# KiCad board SparkFun_Qwiic_WAV_Trigger_Pro_panelized.kicad_pcb
note: Designed by: Jamie Robertson
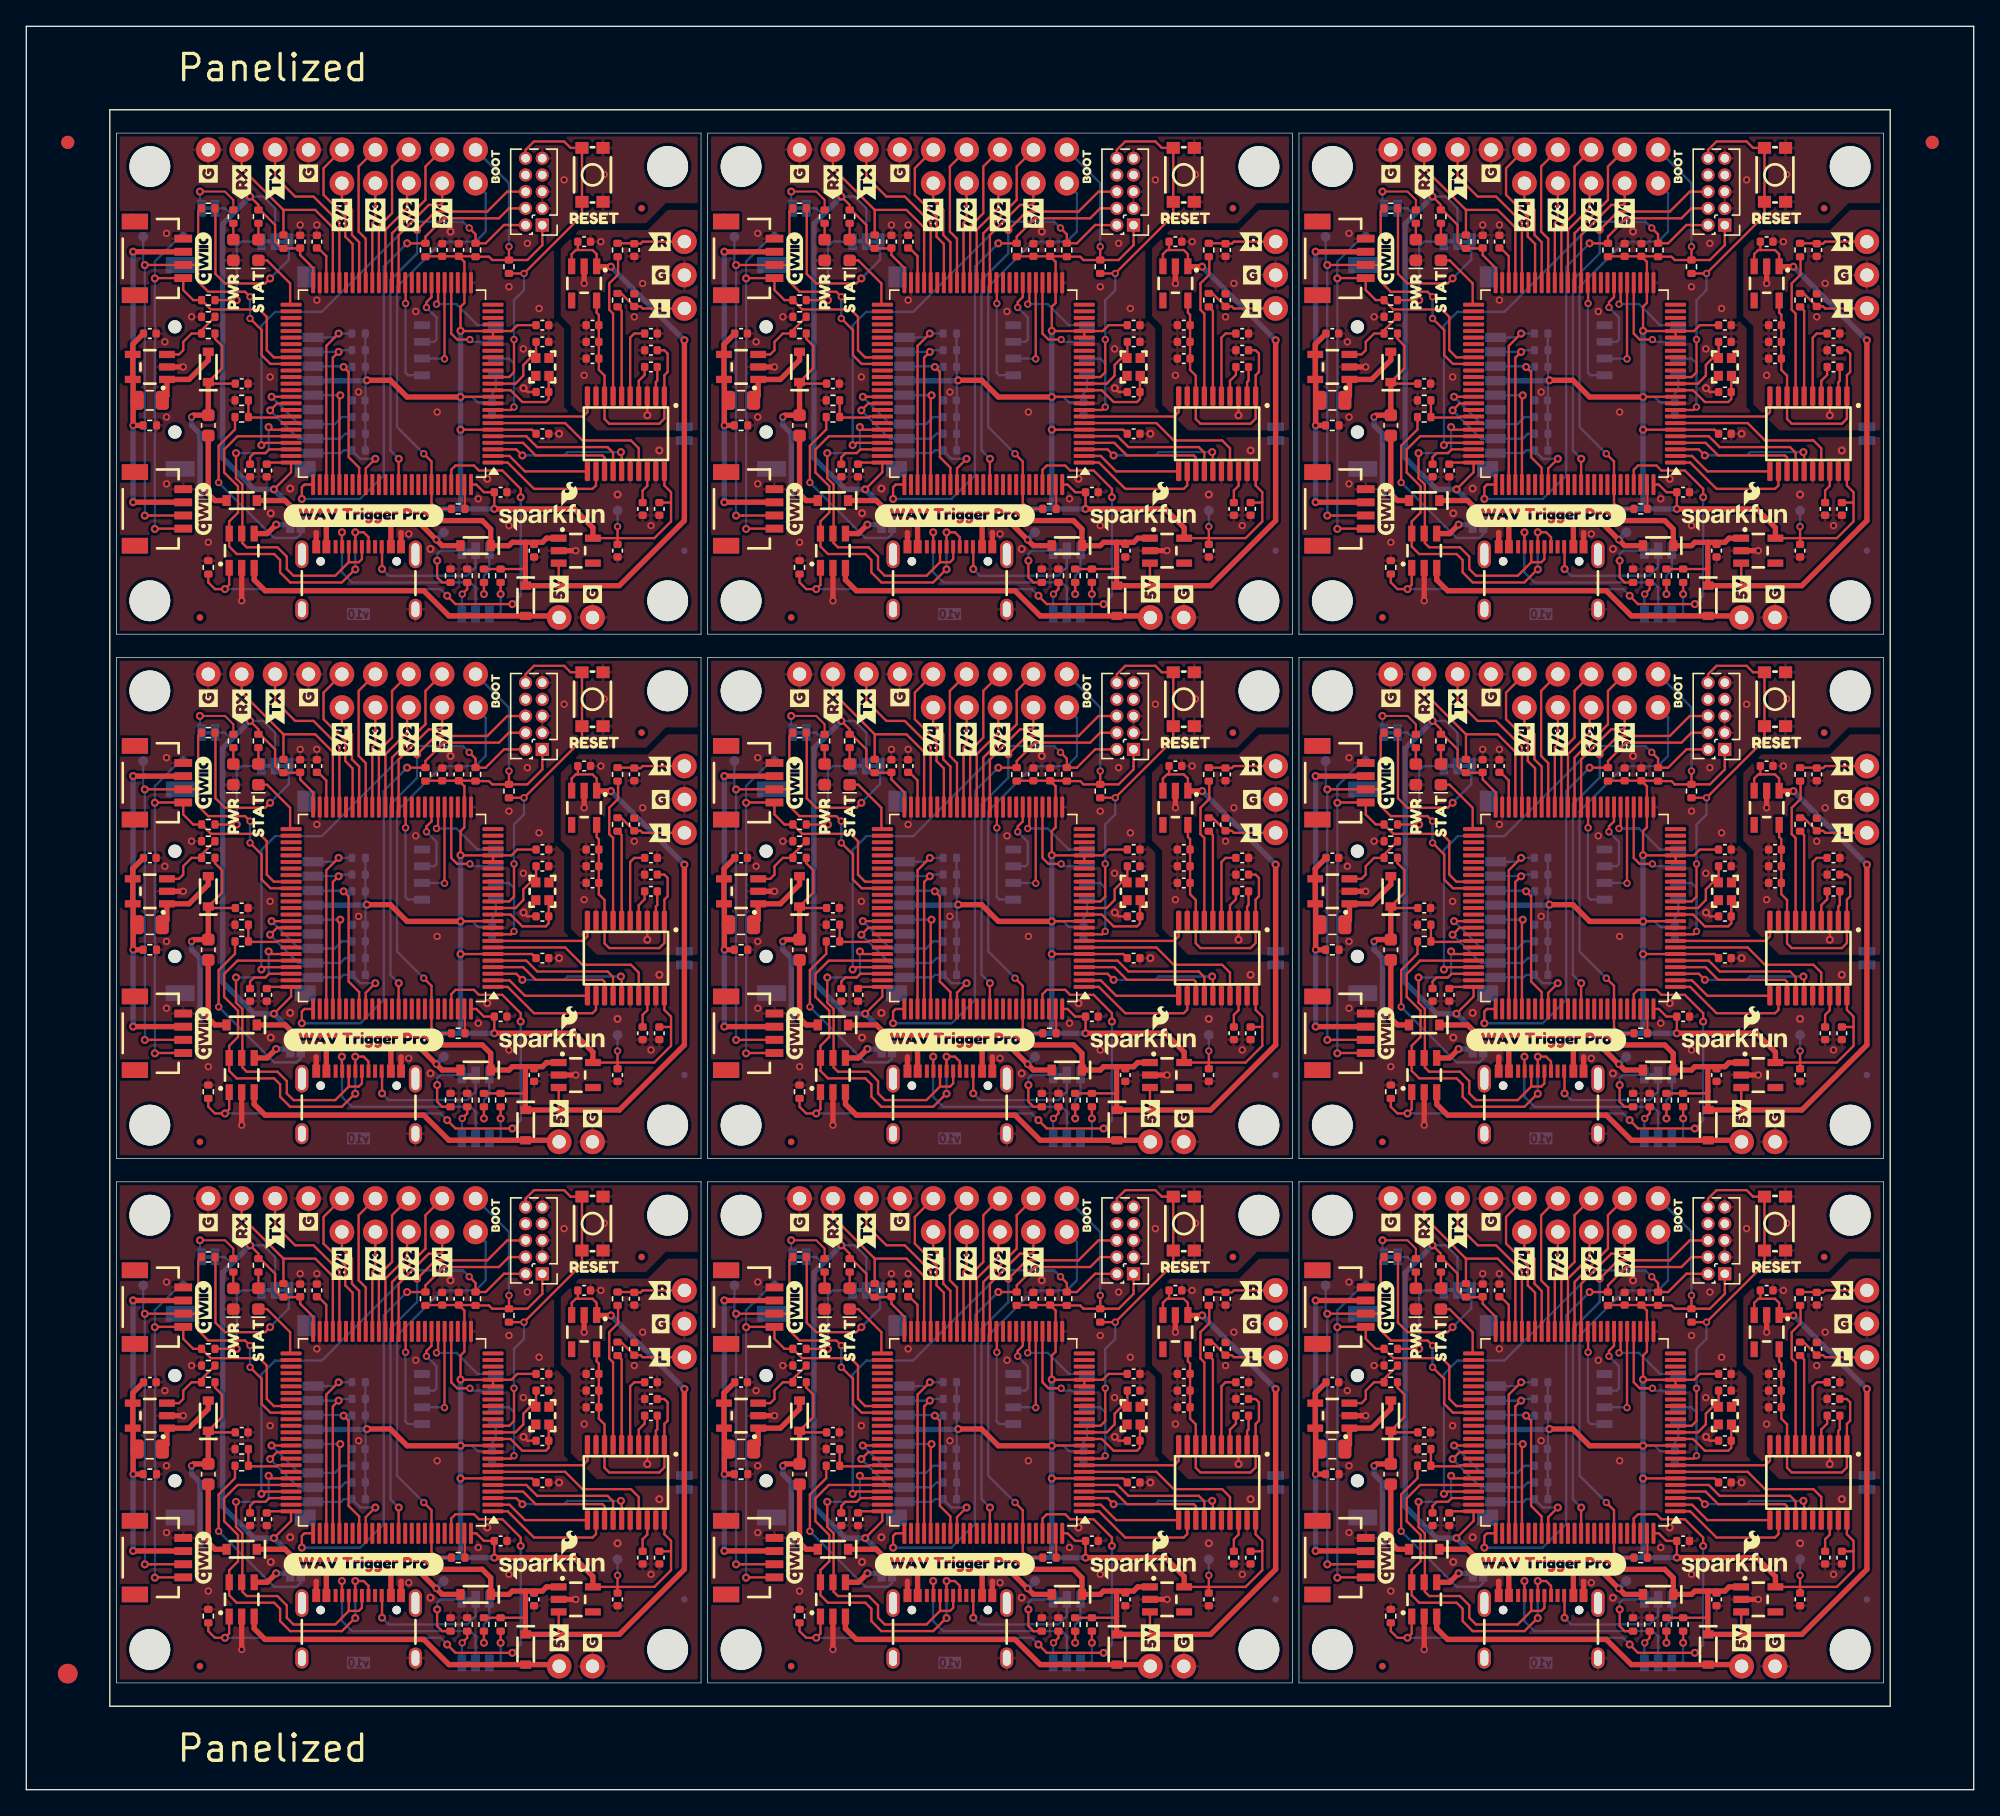
[diagram p0: board, top side]
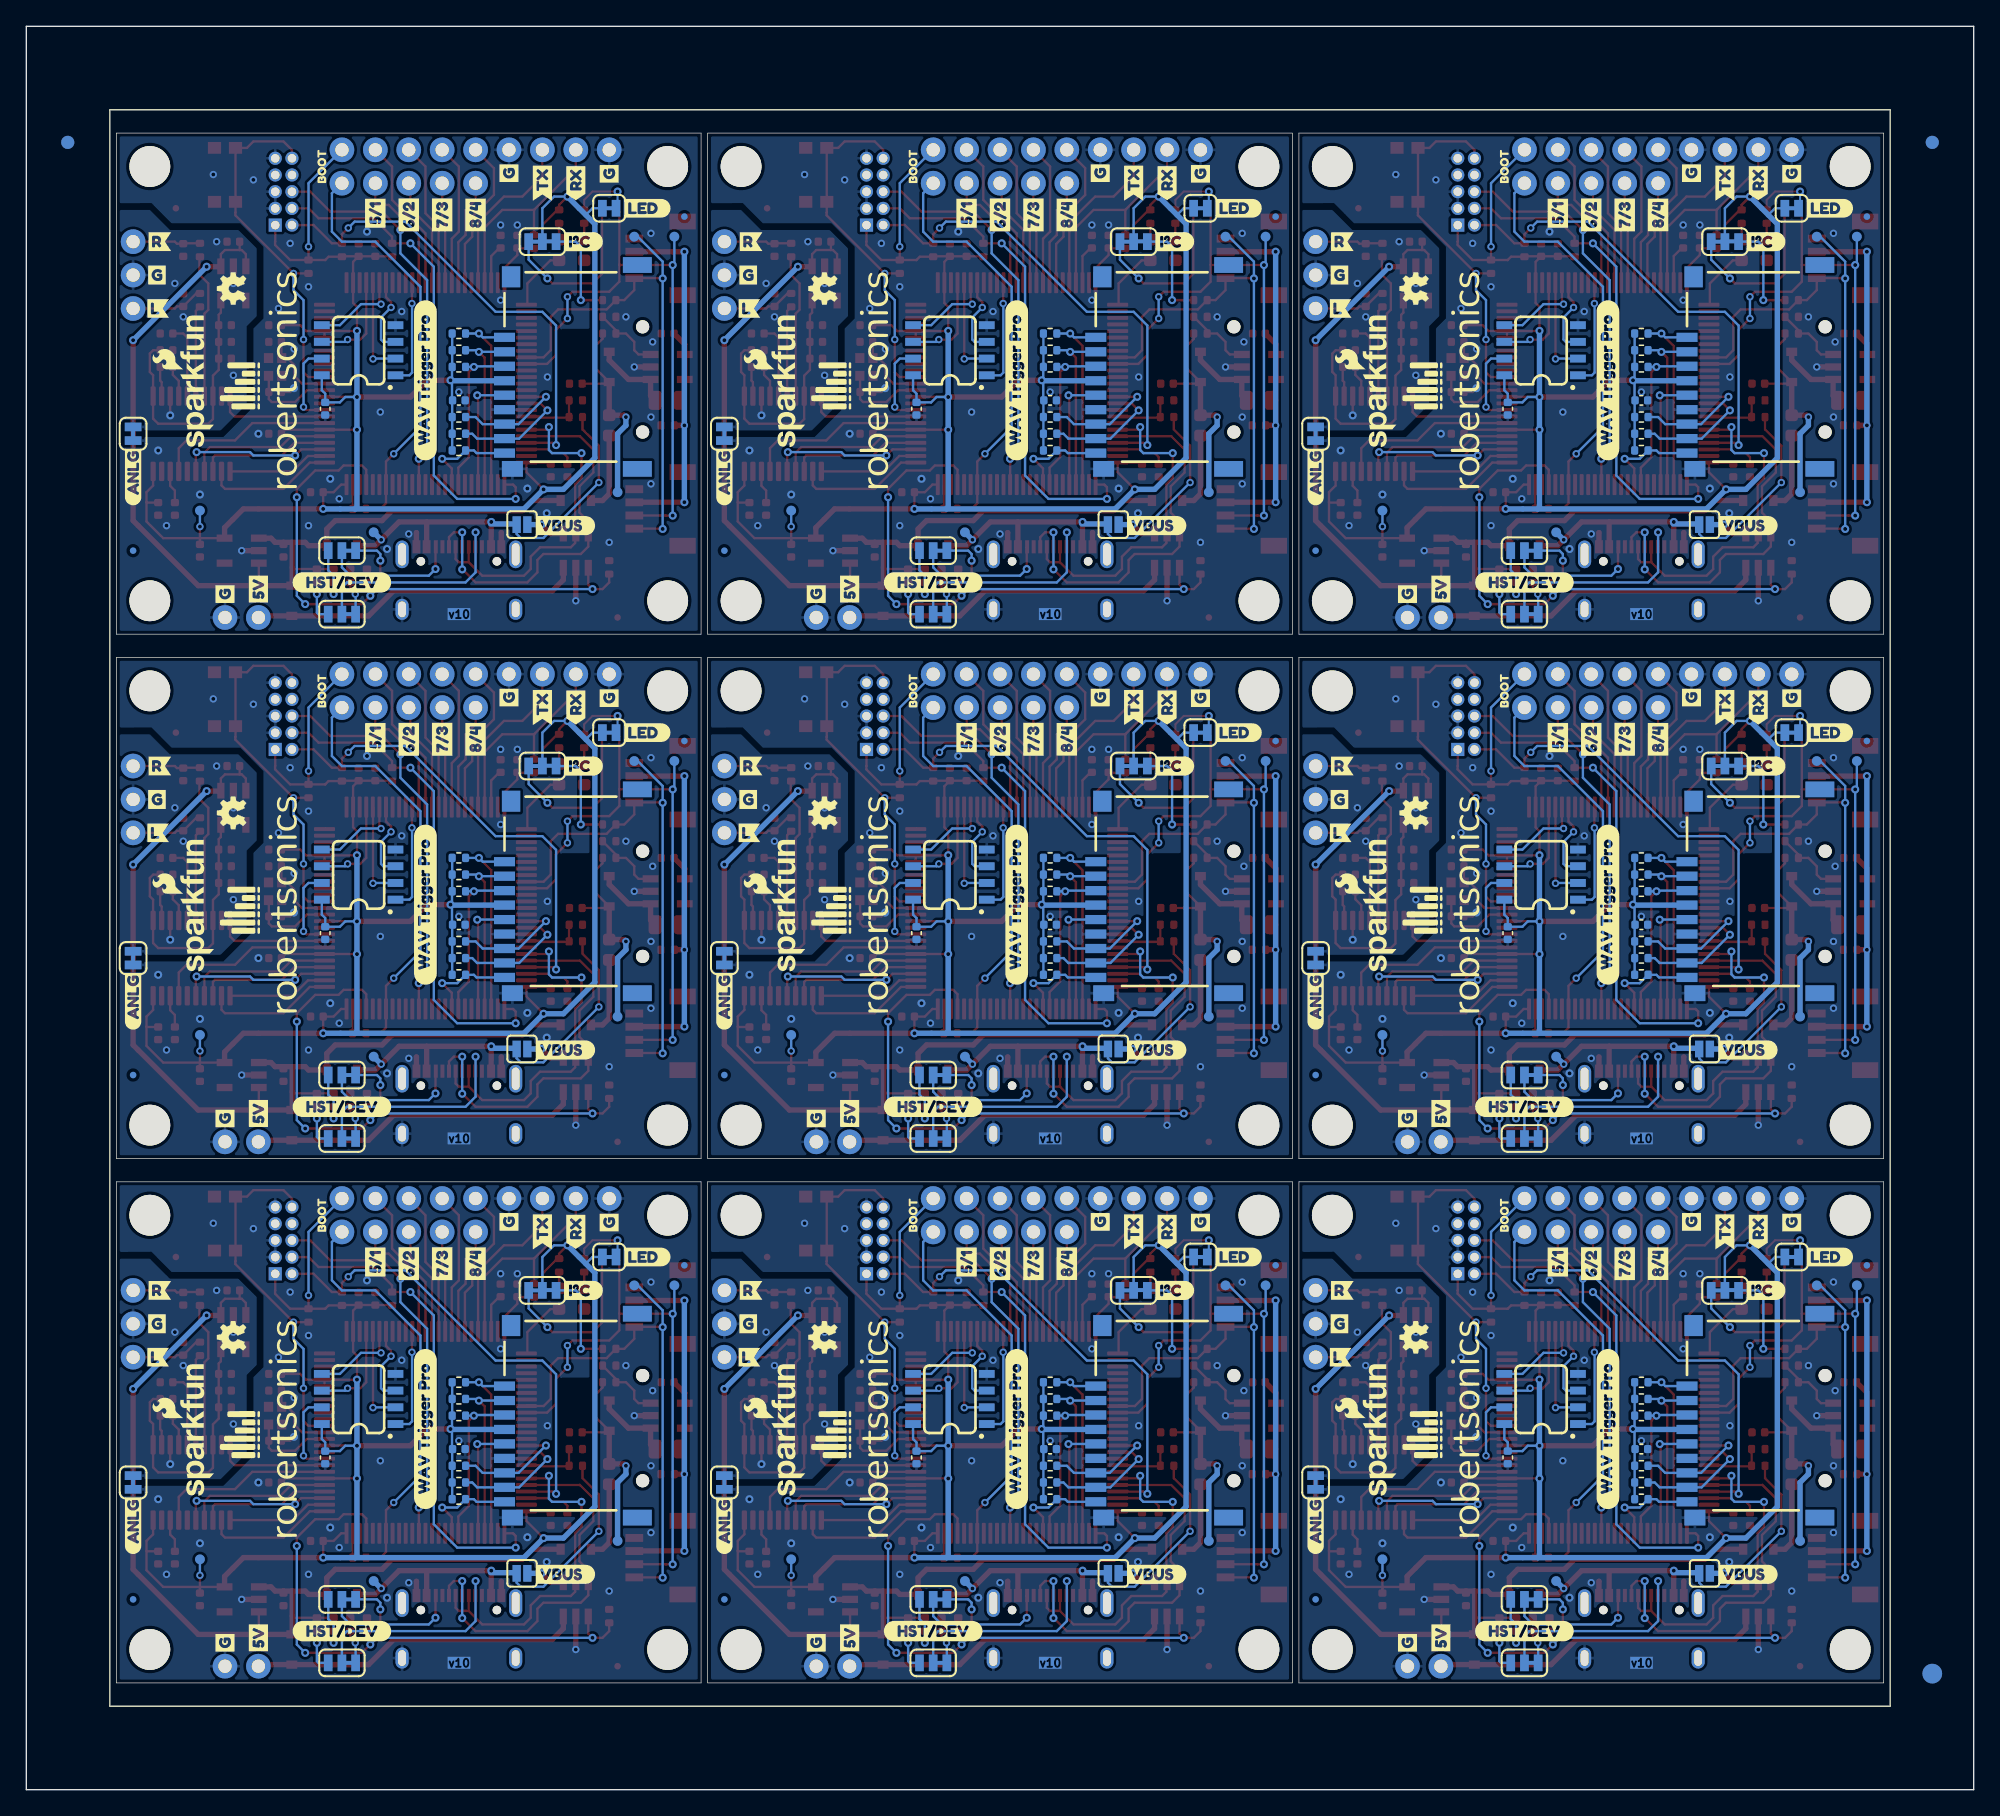
[diagram p1: board, bottom side, seen from below]

Outline 148.05 x 134.08 mm; copper layers: Top, Bottom. Coordinates in mm from the lower left corner of the outline.
Outline path: 0,134.08 148.05,134.08 148.05,0 0,0 0,134.08 ; 6.35,127.73 141.7,127.73 141.7,6.35 6.35,6.35 6.35,127.73 ; 6.85,125.96 51.3,125.96 51.3,87.86 6.85,87.86 6.85,125.96 ; 6.85,86.09 51.3,86.09 51.3,47.99 6.85,47.99 6.85,86.09 ; 6.85,46.22 51.3,46.22 51.3,8.12 6.85,8.12 6.85,46.22 ; 51.8,125.96 96.25,125.96 96.25,87.86 51.8,87.86 51.8,125.96 ; 51.8,86.09 96.25,86.09 96.25,47.99 51.8,47.99 51.8,86.09 ; 51.8,46.22 96.25,46.22 96.25,8.12 51.8,8.12 51.8,46.22 ; 96.75,125.96 141.2,125.96 141.2,87.86 96.75,87.86 96.75,125.96 ; 96.75,86.09 141.2,86.09 141.2,47.99 96.75,47.99 96.75,86.09 ; 96.75,46.22 141.2,46.22 141.2,8.12 96.75,8.12 96.75,46.22
Stack: Top 0.035mm / dielectric 1.51mm FR4 er 4.5 / Bottom 0.035mm

## Placement (name value [footprint] x y rotation side)
C1  1.0uF  [C_0402_1005Metric]  83.55 14.47 270 top
C1#2  1.0uF  [C_0402_1005Metric]  83.55 54.34 270 top
C1#3  1.0uF  [C_0402_1005Metric]  83.55 94.21 270 top
C1#4  1.0uF  [C_0402_1005Metric]  38.6 94.21 270 top
C1#5  1.0uF  [C_0402_1005Metric]  38.6 54.34 270 top
C1#6  1.0uF  [C_0402_1005Metric]  128.5 54.34 270 top
C1#7  1.0uF  [C_0402_1005Metric]  128.5 94.21 270 top
C1#8  1.0uF  [C_0402_1005Metric]  128.5 14.47 270 top
C1#9  1.0uF  [C_0402_1005Metric]  38.6 14.47 270 top
C2  1.0uF  [C_0402_1005Metric]  134.85 14.47 270 top
C2#2  1.0uF  [C_0402_1005Metric]  89.9 14.47 270 top
C2#3  1.0uF  [C_0402_1005Metric]  89.9 94.21 270 top
C2#4  1.0uF  [C_0402_1005Metric]  89.9 54.34 270 top
C2#5  1.0uF  [C_0402_1005Metric]  44.95 54.34 270 top
C2#6  1.0uF  [C_0402_1005Metric]  44.95 94.21 270 top
C2#7  1.0uF  [C_0402_1005Metric]  134.85 54.34 270 top
C2#8  1.0uF  [C_0402_1005Metric]  134.85 94.21 270 top
C2#9  1.0uF  [C_0402_1005Metric]  44.95 14.47 270 top
C3  0.1uF  [C_0402_1005Metric]  39.23 111.35 0 top
C3#2  0.1uF  [C_0402_1005Metric]  84.18 111.35 0 top
C3#3  0.1uF  [C_0402_1005Metric]  84.18 71.48 0 top
C3#4  0.1uF  [C_0402_1005Metric]  39.23 71.48 0 top
C3#5  0.1uF  [C_0402_1005Metric]  84.18 31.61 0 top
C3#6  0.1uF  [C_0402_1005Metric]  129.13 31.61 0 top
C3#7  0.1uF  [C_0402_1005Metric]  129.13 71.48 0 top
C3#8  0.1uF  [C_0402_1005Metric]  129.13 111.35 0 top
C3#9  0.1uF  [C_0402_1005Metric]  39.23 31.61 0 top
C4  0.1uF  [C_0402_1005Metric]  81.01 18.91 0 top
C4#2  0.1uF  [C_0402_1005Metric]  36.06 98.66 0 top
C4#3  0.1uF  [C_0402_1005Metric]  36.06 58.78 0 top
C4#4  0.1uF  [C_0402_1005Metric]  125.96 98.66 0 top
C4#5  0.1uF  [C_0402_1005Metric]  81.01 98.66 0 top
C4#6  0.1uF  [C_0402_1005Metric]  125.96 58.78 0 top
C4#7  0.1uF  [C_0402_1005Metric]  81.01 58.78 0 top
C4#8  0.1uF  [C_0402_1005Metric]  125.96 18.91 0 top
C4#9  0.1uF  [C_0402_1005Metric]  36.06 18.91 0 top
C5  4.7uF  [C_0402_1005Metric]  77.83 117.07 90 top
C5#2  4.7uF  [C_0402_1005Metric]  32.89 117.07 90 top
C5#3  4.7uF  [C_0402_1005Metric]  77.83 37.33 90 top
C5#4  4.7uF  [C_0402_1005Metric]  77.83 77.2 90 top
C5#5  4.7uF  [C_0402_1005Metric]  122.79 37.33 90 top
C5#6  4.7uF  [C_0402_1005Metric]  32.89 77.2 90 top
C5#7  4.7uF  [C_0402_1005Metric]  122.79 77.2 90 top
C5#8  4.7uF  [C_0402_1005Metric]  122.79 117.07 90 top
C5#9  4.7uF  [C_0402_1005Metric]  32.89 37.33 90 top
C6  0.1uF  [C_0402_1005Metric]  20.82 77.83 90 top
C6#2  0.1uF  [C_0402_1005Metric]  65.77 77.83 90 top
C6#3  0.1uF  [C_0402_1005Metric]  65.77 117.7 90 top
C6#4  0.1uF  [C_0402_1005Metric]  110.72 37.96 90 top
C6#5  0.1uF  [C_0402_1005Metric]  20.82 117.7 90 top
C6#6  0.1uF  [C_0402_1005Metric]  65.77 37.96 90 top
C6#7  0.1uF  [C_0402_1005Metric]  110.72 117.7 90 top
C6#8  0.1uF  [C_0402_1005Metric]  110.72 77.83 90 top
C6#9  0.1uF  [C_0402_1005Metric]  20.82 37.96 90 top
C7  0.1uF  [C_0402_1005Metric]  18.28 60.44 270 top
C7#2  0.1uF  [C_0402_1005Metric]  18.28 100.31 270 top
C7#3  0.1uF  [C_0402_1005Metric]  63.23 20.57 270 top
C7#4  0.1uF  [C_0402_1005Metric]  108.18 20.57 270 top
C7#5  0.1uF  [C_0402_1005Metric]  108.18 60.44 270 top
C7#6  0.1uF  [C_0402_1005Metric]  63.23 60.44 270 top
C7#7  0.1uF  [C_0402_1005Metric]  63.23 100.31 270 top
C7#8  0.1uF  [C_0402_1005Metric]  108.18 100.31 270 top
C7#9  0.1uF  [C_0402_1005Metric]  18.28 20.57 270 top
C8  2.2uF  [C_0402_1005Metric]  67.04 117.7 90 top
C8#2  2.2uF  [C_0402_1005Metric]  22.09 77.83 90 top
C8#3  2.2uF  [C_0402_1005Metric]  67.04 77.83 90 top
C8#4  2.2uF  [C_0402_1005Metric]  22.09 117.7 90 top
C8#5  2.2uF  [C_0402_1005Metric]  67.04 37.96 90 top
C8#6  2.2uF  [C_0402_1005Metric]  111.99 37.96 90 top
C8#7  2.2uF  [C_0402_1005Metric]  111.99 77.83 90 top
C8#8  2.2uF  [C_0402_1005Metric]  111.99 117.7 90 top
C8#9  2.2uF  [C_0402_1005Metric]  22.09 37.96 90 top
C9  0.1uF  [C_0402_1005Metric]  31.61 77.2 90 top
C9#2  0.1uF  [C_0402_1005Metric]  76.57 117.07 90 top
C9#3  0.1uF  [C_0402_1005Metric]  76.57 77.2 90 top
C9#4  0.1uF  [C_0402_1005Metric]  121.52 37.33 90 top
C9#5  0.1uF  [C_0402_1005Metric]  121.52 117.07 90 top
C9#6  0.1uF  [C_0402_1005Metric]  121.52 77.2 90 top
C9#7  0.1uF  [C_0402_1005Metric]  76.57 37.33 90 top
C9#8  0.1uF  [C_0402_1005Metric]  31.61 117.07 90 top
C9#9  0.1uF  [C_0402_1005Metric]  31.61 37.33 90 top
C10  0.1uF  [C_0402_1005Metric]  129.13 103.1 0 top
C10#2  0.1uF  [C_0402_1005Metric]  39.23 63.23 0 top
C10#3  0.1uF  [C_0402_1005Metric]  84.18 23.36 0 top
C10#4  0.1uF  [C_0402_1005Metric]  84.18 103.1 0 top
C10#5  0.1uF  [C_0402_1005Metric]  129.13 23.36 0 top
C10#6  0.1uF  [C_0402_1005Metric]  39.23 103.1 0 top
C10#7  0.1uF  [C_0402_1005Metric]  129.13 63.23 0 top
C10#8  0.1uF  [C_0402_1005Metric]  84.18 63.23 0 top
C10#9  0.1uF  [C_0402_1005Metric]  39.23 23.36 0 top
C11  20pF  [C_0402_1005Metric]  84.18 26.53 0 top
C11#2  20pF  [C_0402_1005Metric]  39.23 66.41 0 top
C11#3  20pF  [C_0402_1005Metric]  84.18 66.41 0 top
C11#4  20pF  [C_0402_1005Metric]  129.13 26.53 0 top
C11#5  20pF  [C_0402_1005Metric]  84.18 106.27 0 top
C11#6  20pF  [C_0402_1005Metric]  129.13 66.41 0 top
C11#7  20pF  [C_0402_1005Metric]  129.13 106.27 0 top
C11#8  20pF  [C_0402_1005Metric]  39.23 106.27 0 top
C11#9  20pF  [C_0402_1005Metric]  39.23 26.53 0 top
C12  20pF  [C_0402_1005Metric]  39.23 70.22 180 top
C12#2  20pF  [C_0402_1005Metric]  84.18 70.22 180 top
C12#3  20pF  [C_0402_1005Metric]  129.13 70.22 180 top
C12#4  20pF  [C_0402_1005Metric]  129.13 110.08 180 top
C12#5  20pF  [C_0402_1005Metric]  84.18 30.34 180 top
C12#6  20pF  [C_0402_1005Metric]  39.23 110.08 180 top
C12#7  20pF  [C_0402_1005Metric]  129.13 30.34 180 top
C12#8  20pF  [C_0402_1005Metric]  84.18 110.08 180 top
C12#9  20pF  [C_0402_1005Metric]  39.23 30.34 180 top
C13  2.2uF  [C_0402_1005Metric]  17.01 60.44 270 top
C13#2  2.2uF  [C_0402_1005Metric]  17.01 100.31 270 top
C13#3  2.2uF  [C_0402_1005Metric]  61.96 60.44 270 top
C13#4  2.2uF  [C_0402_1005Metric]  61.96 100.31 270 top
C13#5  2.2uF  [C_0402_1005Metric]  106.91 20.57 270 top
C13#6  2.2uF  [C_0402_1005Metric]  106.91 60.44 270 top
C13#7  2.2uF  [C_0402_1005Metric]  106.91 100.31 270 top
C13#8  2.2uF  [C_0402_1005Metric]  61.96 20.57 270 top
C13#9  2.2uF  [C_0402_1005Metric]  17.01 20.57 270 top
C14  0.1uF  [C_0402_1005Metric]  42.41 77.83 0 top
C14#2  0.1uF  [C_0402_1005Metric]  87.36 37.96 0 top
C14#3  0.1uF  [C_0402_1005Metric]  87.36 77.83 0 top
C14#4  0.1uF  [C_0402_1005Metric]  42.41 117.7 0 top
C14#5  0.1uF  [C_0402_1005Metric]  132.31 37.96 0 top
C14#6  0.1uF  [C_0402_1005Metric]  87.36 117.7 0 top
C14#7  0.1uF  [C_0402_1005Metric]  132.31 77.83 0 top
C14#8  0.1uF  [C_0402_1005Metric]  132.31 117.7 0 top
C14#9  0.1uF  [C_0402_1005Metric]  42.41 37.96 0 top
C15  4.7uF  [C_0402_1005Metric]  87.99 71.48 180 top
C15#2  4.7uF  [C_0402_1005Metric]  43.05 71.48 180 top
C15#3  4.7uF  [C_0402_1005Metric]  132.94 71.48 180 top
C15#4  4.7uF  [C_0402_1005Metric]  43.05 111.35 180 top
C15#5  4.7uF  [C_0402_1005Metric]  87.99 31.61 180 top
C15#6  4.7uF  [C_0402_1005Metric]  87.99 111.35 180 top
C15#7  4.7uF  [C_0402_1005Metric]  132.94 31.61 180 top
C15#8  4.7uF  [C_0402_1005Metric]  132.94 111.35 180 top
C15#9  4.7uF  [C_0402_1005Metric]  43.05 31.61 180 top
C16  0.1uF  [C_0402_1005Metric]  48.13 57.52 270 top
C16#2  0.1uF  [C_0402_1005Metric]  48.13 97.38 270 top
C16#3  0.1uF  [C_0402_1005Metric]  93.08 17.64 270 top
C16#4  0.1uF  [C_0402_1005Metric]  93.08 57.52 270 top
C16#5  0.1uF  [C_0402_1005Metric]  93.08 97.38 270 top
C16#6  0.1uF  [C_0402_1005Metric]  138.02 17.64 270 top
C16#7  0.1uF  [C_0402_1005Metric]  138.02 97.38 270 top
C16#8  0.1uF  [C_0402_1005Metric]  138.02 57.52 270 top
C16#9  0.1uF  [C_0402_1005Metric]  48.13 17.64 270 top
C17  0.1uF  [C_0402_1005Metric]  43.05 70.22 180 top
C17#2  0.1uF  [C_0402_1005Metric]  132.94 30.34 180 top
C17#3  0.1uF  [C_0402_1005Metric]  132.94 110.08 180 top
C17#4  0.1uF  [C_0402_1005Metric]  87.99 110.08 180 top
C17#5  0.1uF  [C_0402_1005Metric]  43.05 110.08 180 top
C17#6  0.1uF  [C_0402_1005Metric]  87.99 30.34 180 top
C17#7  0.1uF  [C_0402_1005Metric]  87.99 70.22 180 top
C17#8  0.1uF  [C_0402_1005Metric]  132.94 70.22 180 top
C17#9  0.1uF  [C_0402_1005Metric]  43.05 30.34 180 top
C18  0.1uF  [C_0402_1005Metric]  137.39 29.71 180 top
C18#2  0.1uF  [C_0402_1005Metric]  92.44 69.58 180 top
C18#3  0.1uF  [C_0402_1005Metric]  47.49 109.45 180 top
C18#4  0.1uF  [C_0402_1005Metric]  92.44 29.71 180 top
C18#5  0.1uF  [C_0402_1005Metric]  92.44 109.45 180 top
C18#6  0.1uF  [C_0402_1005Metric]  47.49 69.58 180 top
C18#7  0.1uF  [C_0402_1005Metric]  137.39 69.58 180 top
C18#8  0.1uF  [C_0402_1005Metric]  137.39 109.45 180 top
C18#9  0.1uF  [C_0402_1005Metric]  47.49 29.71 180 top
C19  10uF  [C_0402_1005Metric]  87.99 108.81 180 top
C19#2  10uF  [C_0402_1005Metric]  87.99 68.94 180 top
C19#3  10uF  [C_0402_1005Metric]  43.05 108.81 180 top
C19#4  10uF  [C_0402_1005Metric]  43.05 68.94 180 top
C19#5  10uF  [C_0402_1005Metric]  87.99 29.07 180 top
C19#6  10uF  [C_0402_1005Metric]  132.94 29.07 180 top
C19#7  10uF  [C_0402_1005Metric]  132.94 68.94 180 top
C19#8  10uF  [C_0402_1005Metric]  132.94 108.81 180 top
C19#9  10uF  [C_0402_1005Metric]  43.05 29.07 180 top
C20  2.2uF  [C_0402_1005Metric]  137.39 30.98 0 top
C20#2  2.2uF  [C_0402_1005Metric]  47.49 70.85 0 top
C20#3  2.2uF  [C_0402_1005Metric]  47.49 110.72 0 top
C20#4  2.2uF  [C_0402_1005Metric]  92.44 30.98 0 top
C20#5  2.2uF  [C_0402_1005Metric]  92.44 70.85 0 top
C20#6  2.2uF  [C_0402_1005Metric]  92.44 110.72 0 top
C20#7  2.2uF  [C_0402_1005Metric]  137.39 110.72 0 top
C20#8  2.2uF  [C_0402_1005Metric]  137.39 70.85 0 top
C20#9  2.2uF  [C_0402_1005Metric]  47.49 30.98 0 top
C21  2.2uF  [C_0402_1005Metric]  92.44 108.18 180 top
C21#2  2.2uF  [C_0402_1005Metric]  47.49 68.31 180 top
C21#3  2.2uF  [C_0402_1005Metric]  92.44 28.44 180 top
C21#4  2.2uF  [C_0402_1005Metric]  92.44 68.31 180 top
C21#5  2.2uF  [C_0402_1005Metric]  137.39 28.44 180 top
C21#6  2.2uF  [C_0402_1005Metric]  137.39 68.31 180 top
C21#7  2.2uF  [C_0402_1005Metric]  137.39 108.18 180 top
C21#8  2.2uF  [C_0402_1005Metric]  47.49 108.18 180 top
C21#9  2.2uF  [C_0402_1005Metric]  47.49 28.44 180 top
C22  0.1uF  [C_0402_1005Metric]  46.86 57.52 270 top
C22#2  0.1uF  [C_0402_1005Metric]  136.75 17.64 270 top
C22#3  0.1uF  [C_0402_1005Metric]  46.86 97.38 270 top
C22#4  0.1uF  [C_0402_1005Metric]  91.8 57.52 270 top
C22#5  0.1uF  [C_0402_1005Metric]  91.8 97.38 270 top
C22#6  0.1uF  [C_0402_1005Metric]  91.8 17.64 270 top
C22#7  0.1uF  [C_0402_1005Metric]  136.75 57.52 270 top
C22#8  0.1uF  [C_0402_1005Metric]  136.75 97.38 270 top
C22#9  0.1uF  [C_0402_1005Metric]  46.86 17.64 270 top
C23  2200pF  [C_0402_1005Metric]  136.12 113.26 90 top
C23#2  2200pF  [C_0402_1005Metric]  136.12 33.52 90 top
C23#3  2200pF  [C_0402_1005Metric]  91.17 33.52 90 top
C23#4  2200pF  [C_0402_1005Metric]  136.12 73.39 90 top
C23#5  2200pF  [C_0402_1005Metric]  46.22 113.26 90 top
C23#6  2200pF  [C_0402_1005Metric]  46.22 73.39 90 top
C23#7  2200pF  [C_0402_1005Metric]  91.17 113.26 90 top
C23#8  2200pF  [C_0402_1005Metric]  91.17 73.39 90 top
C23#9  2200pF  [C_0402_1005Metric]  46.22 33.52 90 top
C24  2200pF  [C_0402_1005Metric]  91.17 77.2 270 top
C24#2  2200pF  [C_0402_1005Metric]  136.12 77.2 270 top
C24#3  2200pF  [C_0402_1005Metric]  91.17 117.07 270 top
C24#4  2200pF  [C_0402_1005Metric]  91.17 37.33 270 top
C24#5  2200pF  [C_0402_1005Metric]  46.22 77.2 270 top
C24#6  2200pF  [C_0402_1005Metric]  46.22 117.07 270 top
C24#7  2200pF  [C_0402_1005Metric]  136.12 37.33 270 top
C24#8  2200pF  [C_0402_1005Metric]  136.12 117.07 270 top
C24#9  2200pF  [C_0402_1005Metric]  46.22 37.33 270 top
C25  0.1uF  [C_0402_1005Metric]  25.27 105.64 180 bottom
C25#2  0.1uF  [C_0402_1005Metric]  70.21 25.9 180 bottom
C25#3  0.1uF  [C_0402_1005Metric]  25.27 65.77 180 bottom
C25#4  0.1uF  [C_0402_1005Metric]  115.17 105.64 180 bottom
C25#5  0.1uF  [C_0402_1005Metric]  70.21 105.64 180 bottom
C25#6  0.1uF  [C_0402_1005Metric]  115.17 65.77 180 bottom
C25#7  0.1uF  [C_0402_1005Metric]  115.17 25.9 180 bottom
C25#8  0.1uF  [C_0402_1005Metric]  70.21 65.77 180 bottom
C25#9  0.1uF  [C_0402_1005Metric]  25.27 25.9 180 bottom
C26  1.0uF  [C_0402_1005Metric]  99.29 70.85 0 top
C26#2  1.0uF  [C_0402_1005Metric]  99.29 110.72 0 top
C26#3  1.0uF  [C_0402_1005Metric]  9.39 70.85 0 top
C26#4  1.0uF  [C_0402_1005Metric]  54.34 30.98 0 top
C26#5  1.0uF  [C_0402_1005Metric]  99.29 30.98 0 top
C26#6  1.0uF  [C_0402_1005Metric]  9.39 110.72 0 top
C26#7  1.0uF  [C_0402_1005Metric]  54.34 110.72 0 top
C26#8  1.0uF  [C_0402_1005Metric]  54.34 70.85 0 top
C26#9  1.0uF  [C_0402_1005Metric]  9.39 30.98 0 top
C27  1.0uF  [C_0402_1005Metric]  61.33 106.91 0 top
C27#2  1.0uF  [C_0402_1005Metric]  106.27 67.04 0 top
C27#3  1.0uF  [C_0402_1005Metric]  16.38 106.91 0 top
C27#4  1.0uF  [C_0402_1005Metric]  16.38 67.04 0 top
C27#5  1.0uF  [C_0402_1005Metric]  106.27 106.91 0 top
C27#6  1.0uF  [C_0402_1005Metric]  61.33 27.17 0 top
C27#7  1.0uF  [C_0402_1005Metric]  61.33 67.04 0 top
C27#8  1.0uF  [C_0402_1005Metric]  106.27 27.17 0 top
C27#9  1.0uF  [C_0402_1005Metric]  16.38 27.17 0 top
C28  0.1uF  [C_0402_1005Metric]  80.38 65.13 270 bottom
C28#2  0.1uF  [C_0402_1005Metric]  80.38 25.27 270 bottom
C28#3  0.1uF  [C_0402_1005Metric]  80.38 105 270 bottom
C28#4  0.1uF  [C_0402_1005Metric]  35.42 105 270 bottom
C28#5  0.1uF  [C_0402_1005Metric]  125.33 65.13 270 bottom
C28#6  0.1uF  [C_0402_1005Metric]  125.33 25.27 270 bottom
C28#7  0.1uF  [C_0402_1005Metric]  125.33 105 270 bottom
C28#8  0.1uF  [C_0402_1005Metric]  35.42 65.13 270 bottom
C28#9  0.1uF  [C_0402_1005Metric]  35.42 25.27 270 bottom
D1  BAT60A  [SOD-323]  79.11 14.85 180 top
D1#2  BAT60A  [SOD-323]  34.16 94.59 180 top
D1#3  BAT60A  [SOD-323]  124.05 14.85 180 top
D1#4  BAT60A  [SOD-323]  79.11 94.59 180 top
D1#5  BAT60A  [SOD-323]  124.05 54.72 180 top
D1#6  BAT60A  [SOD-323]  34.16 54.72 180 top
D1#7  BAT60A  [SOD-323]  124.05 94.59 180 top
D1#8  BAT60A  [SOD-323]  79.11 54.72 180 top
D1#9  BAT60A  [SOD-323]  34.16 14.85 180 top
D2  BAT60A  [SOD-323]  37.96 50.53 270 top
D2#2  BAT60A  [SOD-323]  127.86 50.53 270 top
D2#3  BAT60A  [SOD-323]  127.86 90.4 270 top
D2#4  BAT60A  [SOD-323]  82.92 10.66 270 top
D2#5  BAT60A  [SOD-323]  82.92 90.4 270 top
D2#6  BAT60A  [SOD-323]  37.96 90.4 270 top
D2#7  BAT60A  [SOD-323]  127.86 10.66 270 top
D2#8  BAT60A  [SOD-323]  82.92 50.53 270 top
D2#9  BAT60A  [SOD-323]  37.96 10.66 270 top
D3  Red  [LED_0603_1608Metric_Red]  15.74 117.07 90 top
D3#2  Red  [LED_0603_1608Metric_Red]  15.74 77.2 90 top
D3#3  Red  [LED_0603_1608Metric_Red]  105.64 117.07 90 top
D3#4  Red  [LED_0603_1608Metric_Red]  105.64 77.2 90 top
D3#5  Red  [LED_0603_1608Metric_Red]  60.69 37.33 90 top
D3#6  Red  [LED_0603_1608Metric_Red]  60.69 77.2 90 top
D3#7  Red  [LED_0603_1608Metric_Red]  60.69 117.07 90 top
D3#8  Red  [LED_0603_1608Metric_Red]  105.64 37.33 90 top
D3#9  Red  [LED_0603_1608Metric_Red]  15.74 37.33 90 top
D4  Green  [LED_0603_1608Metric_Green]  107.55 37.33 90 top
D4#2  Green  [LED_0603_1608Metric_Green]  107.55 117.07 90 top
D4#3  Green  [LED_0603_1608Metric_Green]  17.64 77.2 90 top
D4#4  Green  [LED_0603_1608Metric_Green]  17.64 117.07 90 top
D4#5  Green  [LED_0603_1608Metric_Green]  62.6 37.33 90 top
D4#6  Green  [LED_0603_1608Metric_Green]  62.6 77.2 90 top
D4#7  Green  [LED_0603_1608Metric_Green]  62.6 117.07 90 top
D4#8  Green  [LED_0603_1608Metric_Green]  107.55 77.2 90 top
D4#9  Green  [LED_0603_1608Metric_Green]  17.64 37.33 90 top
D5  PMEG4005EJ  [SOD-323]  103.73 68.31 90 top
D5#2  PMEG4005EJ  [SOD-323]  58.79 108.18 90 top
D5#3  PMEG4005EJ  [SOD-323]  58.79 68.31 90 top
D5#4  PMEG4005EJ  [SOD-323]  103.73 108.18 90 top
D5#5  PMEG4005EJ  [SOD-323]  103.73 28.44 90 top
D5#6  PMEG4005EJ  [SOD-323]  13.83 108.18 90 top
D5#7  PMEG4005EJ  [SOD-323]  58.79 28.44 90 top
D5#8  PMEG4005EJ  [SOD-323]  13.83 68.31 90 top
D5#9  PMEG4005EJ  [SOD-323]  13.83 28.44 90 top
D6  BAT60A  [SOD-323]  16.38 98.02 180 top
D6#2  BAT60A  [SOD-323]  16.38 58.15 180 top
D6#3  BAT60A  [SOD-323]  61.33 58.15 180 top
D6#4  BAT60A  [SOD-323]  106.27 98.02 180 top
D6#5  BAT60A  [SOD-323]  61.33 98.02 180 top
D6#6  BAT60A  [SOD-323]  61.33 18.28 180 top
D6#7  BAT60A  [SOD-323]  106.27 58.15 180 top
D6#8  BAT60A  [SOD-323]  106.27 18.28 180 top
D6#9  BAT60A  [SOD-323]  16.38 18.28 180 top
FID1  Fiducial_0.5mm  [Fiducial_0.5mm_Mask1mm]  136.68 120.24 0 top
FID1#2  Fiducial_0.5mm  [Fiducial_0.5mm_Mask1mm]  91.73 40.5 0 top
FID1#3  Fiducial_0.5mm  [Fiducial_0.5mm_Mask1mm]  91.73 120.24 0 top
FID1#4  Fiducial_0.5mm  [Fiducial_0.5mm_Mask1mm]  136.68 40.5 0 top
FID1#5  Fiducial_0.5mm  [Fiducial_0.5mm_Mask1mm]  46.78 80.38 0 top
FID1#6  Fiducial_0.5mm  [Fiducial_0.5mm_Mask1mm]  91.73 80.38 0 top
FID1#7  Fiducial_0.5mm  [Fiducial_0.5mm_Mask1mm]  46.78 120.24 0 top
FID1#8  Fiducial_0.5mm  [Fiducial_0.5mm_Mask1mm]  136.68 80.38 0 top